# KiCad board HPM6E00FULLPORTRevB.kicad_pcb (continued)
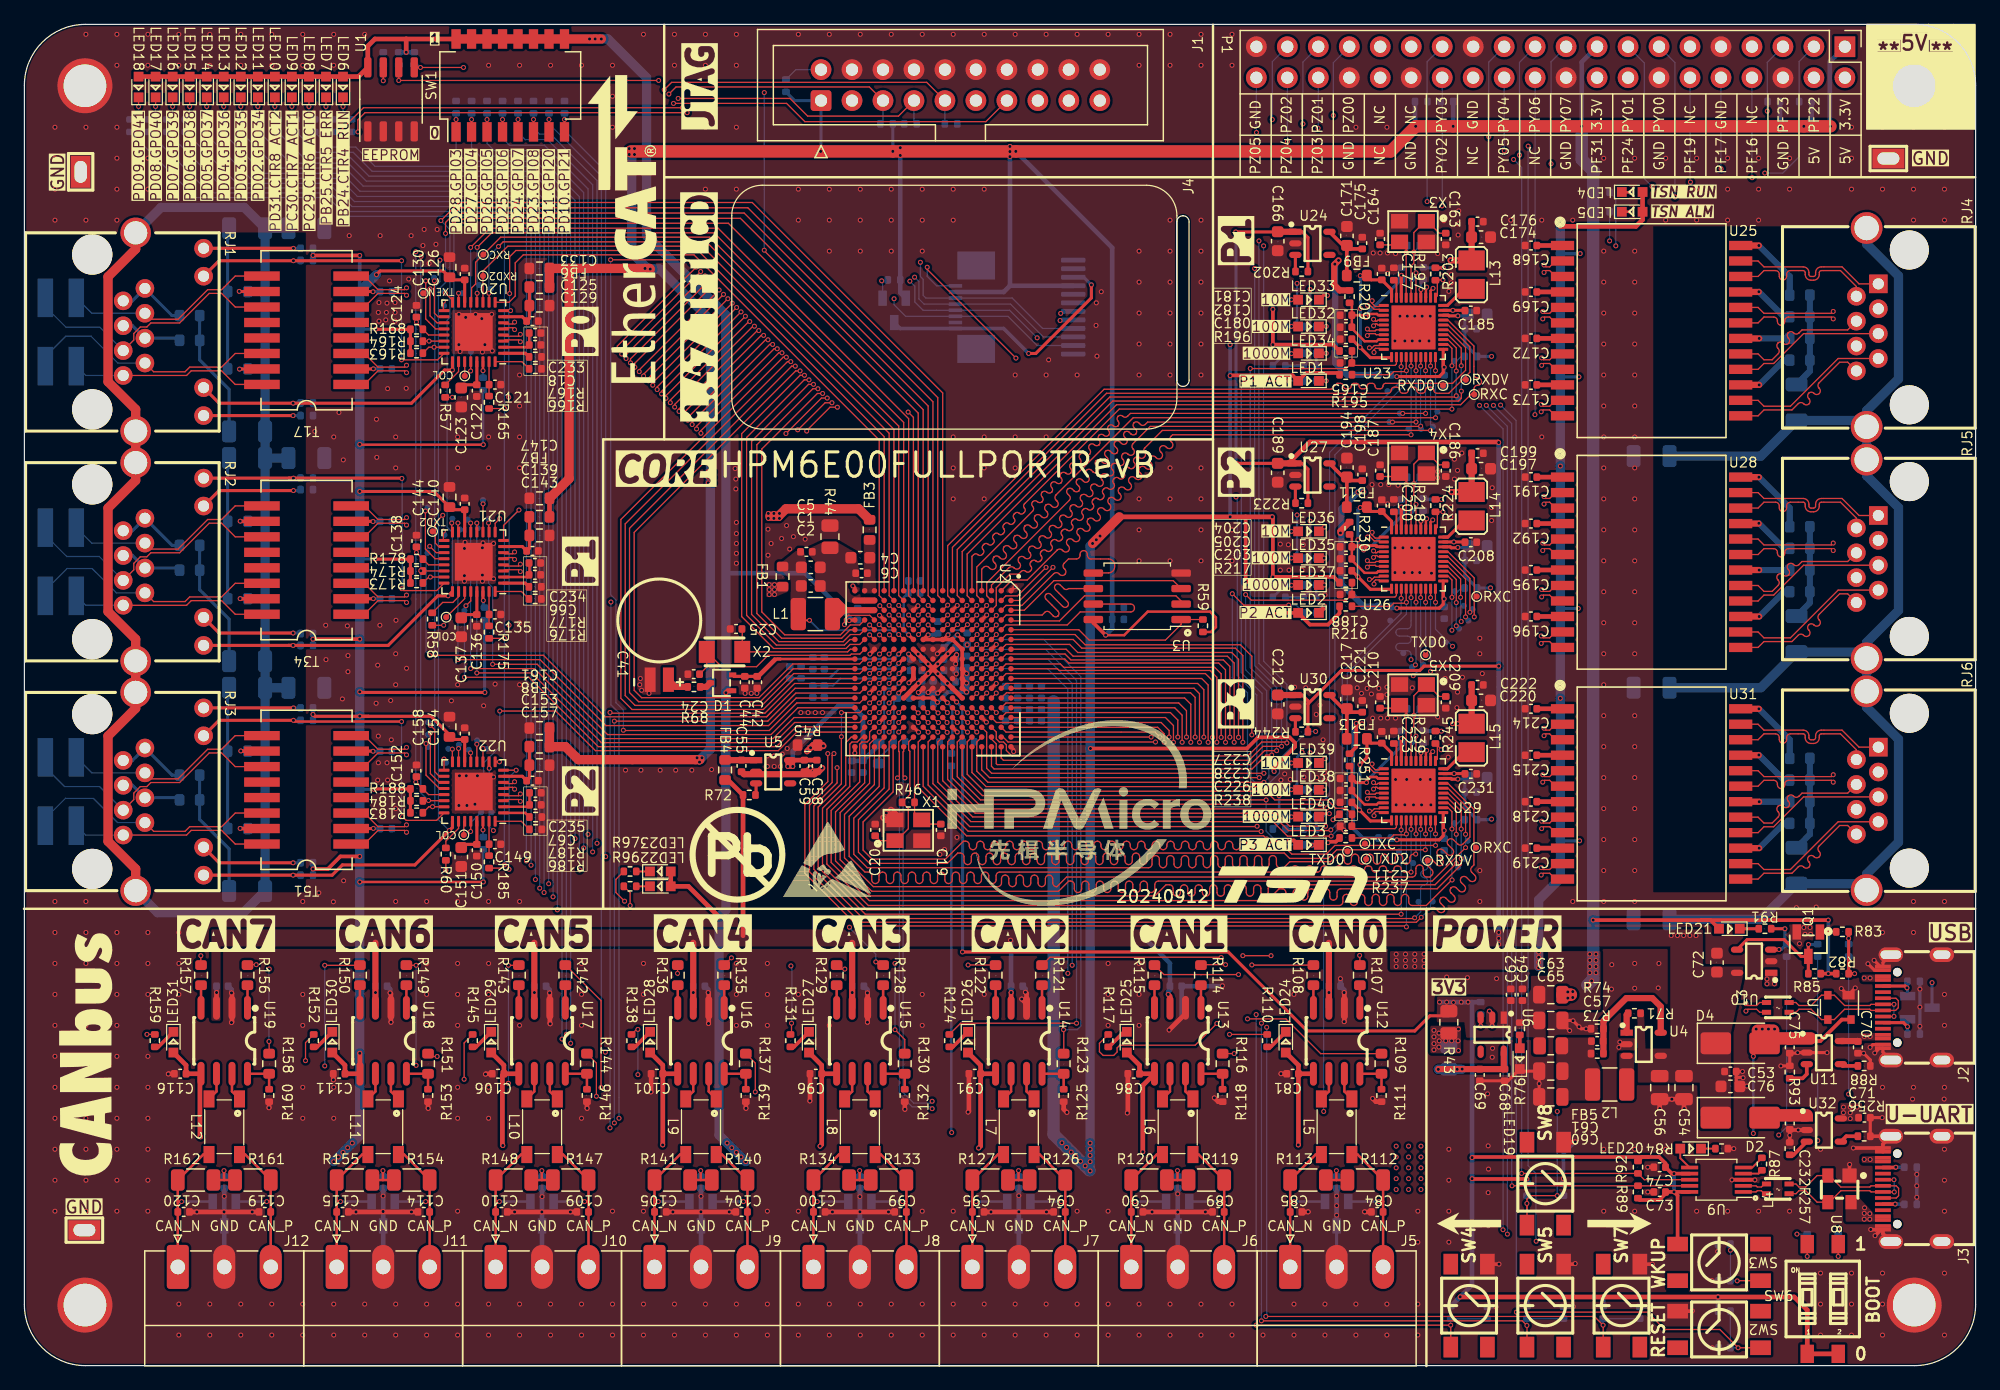
[diagram p0: board, top side]
## Footprints (pads in the part's own frame, mm; a bottom-side part is the same pattern mirrored in y, then rotated) (continued)
BGA-289_17x17_14.0x14.0mm
  round 0.45 smd: A1(-6.4,6.4) A2(-5.6,6.4) A3(-4.8,6.4) A4(-4,6.4) A5(-3.2,6.4) A6(-2.4,6.4) A7(-1.6,6.4) A8(-0.8,6.4) A9(0,6.4) A10(0.8,6.4) A11(1.6,6.4) A12(2.4,6.4) A13(3.2,6.4) A14(4,6.4) A15(4.8,6.4) A16(5.6,6.4) A17(6.4,6.4) B1(-6.4,5.6) B2(-5.6,5.6) B3(-4.8,5.6) B4(-4,5.6) B5(-3.2,5.6) B6(-2.4,5.6) B7(-1.6,5.6) B8(-0.8,5.6) B9(0,5.6) B10(0.8,5.6) B11(1.6,5.6) B12(2.4,5.6) B13(3.2,5.6) B14(4,5.6) B15(4.8,5.6) B16(5.6,5.6) B17(6.4,5.6) C1(-6.4,4.8) C2(-5.6,4.8) C3(-4.8,4.8) C4(-4,4.8) C5(-3.2,4.8) C6(-2.4,4.8) C7(-1.6,4.8) C8(-0.8,4.8) C9(0,4.8) C10(0.8,4.8) C11(1.6,4.8) C12(2.4,4.8) C13(3.2,4.8) C14(4,4.8) C15(4.8,4.8) C16(5.6,4.8) C17(6.4,4.8) D1(-6.4,4) D2(-5.6,4) D3(-4.8,4) D4(-4,4) D5(-3.2,4) D6(-2.4,4) D7(-1.6,4) D8(-0.8,4) D9(0,4) D10(0.8,4) D11(1.6,4) D12(2.4,4) D13(3.2,4) D14(4,4) D15(4.8,4) D16(5.6,4) D17(6.4,4) E1(-6.4,3.2) E2(-5.6,3.2) E3(-4.8,3.2) E4(-4,3.2) E5(-3.2,3.2) E6(-2.4,3.2) E7(-1.6,3.2) E8(-0.8,3.2) E9(0,3.2) E10(0.8,3.2) E11(1.6,3.2) E12(2.4,3.2) E13(3.2,3.2) E14(4,3.2) E15(4.8,3.2) E16(5.6,3.2) E17(6.4,3.2) F1(-6.4,2.4) F2(-5.6,2.4) F3(-4.8,2.4) F4(-4,2.4) F5(-3.2,2.4) F6(-2.4,2.4) F7(-1.6,2.4) F8(-0.8,2.4) F9(0,2.4) F10(0.8,2.4) F11(1.6,2.4) F12(2.4,2.4) F13(3.2,2.4) F14(4,2.4) F15(4.8,2.4) F16(5.6,2.4) F17(6.4,2.4) G1(-6.4,1.6) G2(-5.6,1.6) G3(-4.8,1.6) G4(-4,1.6) G5(-3.2,1.6) G6(-2.4,1.6) G7(-1.6,1.6) G8(-0.8,1.6) G9(0,1.6) G10(0.8,1.6) G11(1.6,1.6) G12(2.4,1.6) G13(3.2,1.6) G14(4,1.6) G15(4.8,1.6) G16(5.6,1.6) G17(6.4,1.6) H1(-6.4,0.8) H2(-5.6,0.8) H3(-4.8,0.8) H4(-4,0.8) H5(-3.2,0.8) H6(-2.4,0.8) H7(-1.6,0.8) H8(-0.8,0.8) H9(0,0.8) H10(0.8,0.8) H11(1.6,0.8) H12(2.4,0.8) H13(3.2,0.8) H14(4,0.8) H15(4.8,0.8) H16(5.6,0.8) H17(6.4,0.8) J1(-6.4,0) J2(-5.6,0) J3(-4.8,0) J4(-4,0) J5(-3.2,0) J6(-2.4,0) J7(-1.6,0) J8(-0.8,0) J9(0,0) J10(0.8,0) J11(1.6,0) J12(2.4,0) J13(3.2,0) J14(4,0) J15(4.8,0) J16(5.6,0) J17(6.4,0) K1(-6.4,-0.8) K2(-5.6,-0.8) K3(-4.8,-0.8) K4(-4,-0.8) K5(-3.2,-0.8) K6(-2.4,-0.8) K7(-1.6,-0.8) K8(-0.8,-0.8) K9(0,-0.8) K10(0.8,-0.8) K11(1.6,-0.8) K12(2.4,-0.8) K13(3.2,-0.8) K14(4,-0.8) K15(4.8,-0.8) K16(5.6,-0.8) K17(6.4,-0.8) L1(-6.4,-1.6) L2(-5.6,-1.6) L3(-4.8,-1.6) L4(-4,-1.6) L5(-3.2,-1.6) L6(-2.4,-1.6) L7(-1.6,-1.6) L8(-0.8,-1.6) L9(0,-1.6) L10(0.8,-1.6) L11(1.6,-1.6) L12(2.4,-1.6) L13(3.2,-1.6) L14(4,-1.6) L15(4.8,-1.6) L16(5.6,-1.6) L17(6.4,-1.6) M1(-6.4,-2.4) M2(-5.6,-2.4) M3(-4.8,-2.4) M4(-4,-2.4) M5(-3.2,-2.4) M6(-2.4,-2.4) M7(-1.6,-2.4) M8(-0.8,-2.4) M9(0,-2.4) M10(0.8,-2.4) M11(1.6,-2.4) M12(2.4,-2.4) M13(3.2,-2.4) M14(4,-2.4) M15(4.8,-2.4) M16(5.6,-2.4) M17(6.4,-2.4) N1(-6.4,-3.2) N2(-5.6,-3.2) N3(-4.8,-3.2) N4(-4,-3.2) N5(-3.2,-3.2) N6(-2.4,-3.2) N7(-1.6,-3.2) N8(-0.8,-3.2) N9(0,-3.2) N10(0.8,-3.2) N11(1.6,-3.2) N12(2.4,-3.2) N13(3.2,-3.2) N14(4,-3.2) N15(4.8,-3.2) N16(5.6,-3.2) N17(6.4,-3.2) P1(-6.4,-4) P2(-5.6,-4) P3(-4.8,-4) P4(-4,-4) P5(-3.2,-4) P6(-2.4,-4) P7(-1.6,-4) P8(-0.8,-4) P9(0,-4) P10(0.8,-4) P11(1.6,-4) P12(2.4,-4) P13(3.2,-4) P14(4,-4) P15(4.8,-4) P16(5.6,-4) P17(6.4,-4) R1(-6.4,-4.8) R2(-5.6,-4.8) R3(-4.8,-4.8) R4(-4,-4.8) R5(-3.2,-4.8) R6(-2.4,-4.8) R7(-1.6,-4.8) R8(-0.8,-4.8) R9(0,-4.8) R10(0.8,-4.8) R11(1.6,-4.8) R12(2.4,-4.8) R13(3.2,-4.8) R14(4,-4.8) R15(4.8,-4.8) R16(5.6,-4.8) R17(6.4,-4.8) T1(-6.4,-5.6) T2(-5.6,-5.6) T3(-4.8,-5.6) T4(-4,-5.6) T5(-3.2,-5.6) T6(-2.4,-5.6) T7(-1.6,-5.6) T8(-0.8,-5.6) T9(0,-5.6) T10(0.8,-5.6) T11(1.6,-5.6) T12(2.4,-5.6) T13(3.2,-5.6) T14(4,-5.6) T15(4.8,-5.6) T16(5.6,-5.6) T17(6.4,-5.6) U1(-6.4,-6.4) U2(-5.6,-6.4) U3(-4.8,-6.4) U4(-4,-6.4) U5(-3.2,-6.4) U6(-2.4,-6.4) U7(-1.6,-6.4) U8(-0.8,-6.4) U9(0,-6.4) U10(0.8,-6.4) U11(1.6,-6.4) U12(2.4,-6.4) U13(3.2,-6.4) U14(4,-6.4) U15(4.8,-6.4) U16(5.6,-6.4) U17(6.4,-6.4)
C_0402_1005Metric
  rrect 0.56x0.62 smd: 1(-0.48,0) 2(0.48,0)
C_0603_1608Metric
  rrect 0.9x0.95 smd: 1(-0.775,0) 2(0.775,0)
C_0805_2012Metric
  rrect 1x1.45 smd: 1(-0.95,0) 2(0.95,0)
C_1206_3216Metric
  rrect 1.15x1.8 smd: 1(-1.475,0) 2(1.475,0)
D_SMA
  rrect 2.5x1.8 smd: 1(-2,0) 2(2,0)
DMS3R3224
  rect 2x0.9 smd: 1(-0.001,0.749) 2(0.001,-0.749)
H1102_XFMR16_SM
  rect 2.921x0.762 smd: 1(-3.658,4.445) 2(-3.658,3.175) 3(-3.658,1.905) 4(-3.658,0.635) 5(-3.658,-0.635) 6(-3.658,-1.905) 7(-3.658,-3.175) 8(-3.658,-4.445) 9(3.658,-4.445) 10(3.658,-3.175) 11(3.658,-1.905) 12(3.658,-0.635) 13(3.658,0.635) 14(3.658,1.905) 15(3.658,3.175) 16(3.658,4.445)
HDR-SMD_4P-P2.54-V-M-R2-C2-LS7.5
  rect 1.27x3.17 smd: 1(-1.27,-2.8) 2(-1.27,2.8) 3(1.27,-2.8) 4(1.27,2.8)
IDC-Header_2x10_P2.54mm
  rrect 1.7x1.7 hole 1: 1(0,0)
  round 1.7 hole 1: 2(2.54,0) 3(0,-2.54) 4(2.54,-2.54) 5(0,-5.08) 6(2.54,-5.08) 7(0,-7.62) 8(2.54,-7.62) 9(0,-10.16) 10(2.54,-10.16) 11(0,-12.7) 12(2.54,-12.7) 13(0,-15.24) 14(2.54,-15.24) 15(0,-17.78) 16(2.54,-17.78) 17(0,-20.32) 18(2.54,-20.32) 19(0,-22.86) 20(2.54,-22.86)
L1008
  rect 1.635x2.16 smd: 1(-1.168,0) 2(1.168,0)
L2012
  rect 0.4x0.75 smd: 1(-0.4,-0.925) 2(-0.4,0.925) 3(0.4,0.925) 4(0.4,-0.925)
L4532
  rect 1.4x0.9 smd: 1(-2.28,1.25) 2(-2.28,-1.25) 3(2.28,-1.25) 4(2.28,1.25)
L_1210_3225Metric
  rrect 1.25x2.65 smd: 1(-1.4,0) 2(1.4,0)
LED_0603
  rect 0.8x0.8 smd: 1(0.851,0) 2(-0.851,0)
MSOP-10
  rect 1.4x0.3 smd: 1(-2.2,1) 2(-2.2,0.5) 3(-2.2,0) 4(-2.2,-0.5) 5(-2.2,-1) 6(2.2,-1) 7(2.2,-0.5) 8(2.2,0) 9(2.2,0.5) 10(2.2,1)
PhoenixContact_MC_1,5_3-G-3.81_1x03_P3.81mm_Horizontal
  rrect 1.8x3.6 hole 1.2: 1(0,0)
  oval 1.8x3.6 hole 1.2: 2(3.81,0) 3(7.62,0)
PinHeader_2x20_P2.54mm_Vertical
  rect 1.7x1.7 hole 1: 1(0,0)
  oval 1.7x1.7 hole 1: 2(2.54,0) 3(0,-2.54) 4(2.54,-2.54) 5(0,-5.08) 6(2.54,-5.08) 7(0,-7.62) 8(2.54,-7.62) 9(0,-10.16) 10(2.54,-10.16) 11(0,-12.7) 12(2.54,-12.7) 13(0,-15.24) 14(2.54,-15.24) 15(0,-17.78) 16(2.54,-17.78) 17(0,-20.32) 18(2.54,-20.32) 19(0,-22.86) 20(2.54,-22.86) 21(0,-25.4) 22(2.54,-25.4) 23(0,-27.94) 24(2.54,-27.94) 25(0,-30.48) 26(2.54,-30.48) 27(0,-33.02) 28(2.54,-33.02) 29(0,-35.56) 30(2.54,-35.56) 31(0,-38.1) 32(2.54,-38.1) 33(0,-40.64) 34(2.54,-40.64) 35(0,-43.18) 36(2.54,-43.18) 37(0,-45.72) 38(2.54,-45.72) 39(0,-48.26) 40(2.54,-48.26)
PRTR5V0U2X
  rect 1.168x1.168 smd: 1(-1.092,0.826)
  rect 1.168x0.914 smd: 2(-1.092,-0.953) 3(1.092,-0.953) 4(1.092,0.953)
PULSE_H5007NL
  rect 1.905x0.76 smd: 1(-7.303,6.985) 2(-7.303,5.715) 3(-7.303,4.445) 4(-7.303,3.175) 5(-7.303,1.905) 6(-7.303,0.635) 7(-7.303,-0.635) 8(-7.303,-1.905) 9(-7.303,-3.175) 10(-7.303,-4.445) 11(-7.303,-5.715) 12(-7.303,-6.985) 13(7.303,-6.985) 14(7.303,-5.715) 15(7.303,-4.445) 16(7.303,-3.175) 17(7.303,-1.905) 18(7.303,-0.635) 19(7.303,0.635) 20(7.303,1.905) 21(7.303,3.175) 22(7.303,4.445) 23(7.303,5.715) 24(7.303,6.985)
QFN-32-1EP_5x5mm_P0.5mm_EP3.1x3.1mm
  rrect 0.83x0.83 smd: (-1.03,1.03) (-1.03,0) (-1.03,-1.03) (0,1.03) (0,0) (0,-1.03) (1.03,1.03) (1.03,0) (1.03,-1.03)
  rrect 0.875x0.25 smd: 1(-2.438,1.75) 2(-2.438,1.25) 3(-2.438,0.75) 4(-2.438,0.25) 5(-2.438,-0.25) 6(-2.438,-0.75) 7(-2.438,-1.25) 8(-2.438,-1.75) 17(2.438,-1.75) 18(2.438,-1.25) 19(2.438,-0.75) 20(2.438,-0.25) 21(2.438,0.25) 22(2.438,0.75) 23(2.438,1.25) 24(2.438,1.75)
  rrect 0.25x0.875 smd: 9(-1.75,-2.438) 10(-1.25,-2.438) 11(-0.75,-2.438) 12(-0.25,-2.438) 13(0.25,-2.438) 14(0.75,-2.438) 15(1.25,-2.438) 16(1.75,-2.438) 25(1.75,2.438) 26(1.25,2.438) 27(0.75,2.438) 28(0.25,2.438) 29(-0.25,2.438) 30(-0.75,2.438) 31(-1.25,2.438) 32(-1.75,2.438)
  rect 3.1x3.1 smd: 33(0,0)
QFN-40-1EP_5x5mm_P0.4mm_EP3.6x3.6mm
  rrect 0.97x0.97 smd: (-1.2,1.2) (-1.2,0) (-1.2,-1.2) (0,1.2) (0,0) (0,-1.2) (1.2,1.2) (1.2,0) (1.2,-1.2)
  rrect 0.825x0.25 smd: 1(-2.438,1.8) 2(-2.438,1.4) 3(-2.438,1) 4(-2.438,0.6) 5(-2.438,0.2) 6(-2.438,-0.2) 7(-2.438,-0.6) 8(-2.438,-1) 9(-2.438,-1.4) 10(-2.438,-1.8) 21(2.438,-1.8) 22(2.438,-1.4) 23(2.438,-1) 24(2.438,-0.6) 25(2.438,-0.2) 26(2.438,0.2) 27(2.438,0.6) 28(2.438,1) 29(2.438,1.4) 30(2.438,1.8)
  rrect 0.25x0.825 smd: 11(-1.8,-2.438) 12(-1.4,-2.438) 13(-1,-2.438) 14(-0.6,-2.438) 15(-0.2,-2.438) 16(0.2,-2.438) 17(0.6,-2.438) 18(1,-2.438) 19(1.4,-2.438) 20(1.8,-2.438) 31(1.8,2.438) 32(1.4,2.438) 33(1,2.438) 34(0.6,2.438) 35(0.2,2.438) 36(-0.2,2.438) 37(-0.6,2.438) 38(-1,2.438) 39(-1.4,2.438) 40(-1.8,2.438)
  rect 3.6x3.6 smd: 41(0,0)
R_0402_1005Metric
  rrect 0.54x0.64 smd: 1(-0.51,0) 2(0.51,0)
R_0603_1608Metric
  rrect 0.8x0.95 smd: 1(-0.825,0) 2(0.825,0)
R_0805_2012Metric
  rrect 1.025x1.4 smd: 1(-0.912,0) 2(0.912,0)
R_1206_3216Metric
  rrect 1.125x1.75 smd: 1(-1.462,0) 2(1.462,0)
RJ45-TH_HC-RJ45-5JA-1-4
  round 3.2 hole 3.2 unplated: (-6.35,-3.44) (6.35,-3.44)
  rect 1.524x1.524 hole 0.914: 1(3.57,-0.9)
  round 1.524 hole 0.914: 2(2.55,0.9) 3(1.53,-0.9) 4(0.51,0.9) 5(-0.51,-0.9) 6(-1.53,0.9) 7(-2.55,-0.9) 8(-3.57,0.9)
  round 2.6 hole 2: 9(-8.15,0.06) 10(8.15,0.06)
RJ45-TH_R-RJ45R08P-C000
  round 3.3 hole 3.3 unplated: (-6.35,-5.835) (6.35,-5.835)
  round 1.524 hole 0.914: 1(3.57,-3.295) 2(2.55,-1.515) 3(1.53,-3.295) 4(0.51,-1.515) 5(-0.51,-3.295) 6(-1.53,-1.515) 7(-2.55,-3.295) 8(-3.57,-1.515) 9(-6.86,3.295) 10(-4.57,3.295) 11(4.57,3.295) 12(6.86,3.295)
  round 2.5 hole 1.9: 13(8.13,-2.275) 14(-8.13,-2.275)
SC-70
  rect 0.599x0.399 smd: 1(0.909,-0.65) 2(0.909,0.65) 3(-0.909,0)
SOIC8_208mil
  rrect 1.6x0.6 smd: 1(-3.6,1.905) 2(-3.6,0.635) 3(-3.6,-0.635) 4(-3.6,-1.905) 5(3.6,-1.905) 6(3.6,-0.635) 7(3.6,0.635) 8(3.6,1.905)
SOIC-8
  oval 1.95x0.568 smd: 1(-0.705,0.905) 2(-0.705,-0.365) 3(-0.705,-1.635) 4(-0.705,-2.905) 5(4.705,-2.905) 6(4.705,-1.635) 7(4.705,-0.365) 8(4.705,0.905)
SOP-8_3.9x4.9mm_P1.27mm
  rrect 1.65x0.6 smd: 1(-2.625,1.905) 2(-2.625,0.635) 3(-2.625,-0.635) 4(-2.625,-1.905) 5(2.625,-1.905) 6(2.625,-0.635) 7(2.625,0.635) 8(2.625,1.905)
SOT-23
  rect 1.25x0.7 smd: 1(1,-0.95) 2(1,0.95) 3(-1,0)
SOT-23-5
  rect 1.016x0.508 smd: 1(-1.397,0.95)
  oval 1.016x0.508 smd: 2(-1.397,0) 3(-1.397,-0.95) 4(1.397,-0.95) 5(1.397,0.95)
SOT-143
  rect 0.7x1 smd: 1(-1,0.75)
  rect 0.7x0.6 smd: 2(-1,-0.95) 3(1,-0.95) 4(1,0.95)
SW-SMD_DM-02-V
  rect 1.1x1.501 smd: 1(-1.27,-4.501) 2(1.27,-4.501) 3(1.27,4.501) 4(-1.27,4.501)
SW_DIP_SPSTx08_Slide_Copal_CHS-08B_W7.62mm_P1.27mm
  rect 1.6x0.76 smd: 1(-3.81,4.445) 2(-3.81,3.175) 3(-3.81,1.905) 4(-3.81,0.635) 5(-3.81,-0.635) 6(-3.81,-1.905) 7(-3.81,-3.175) 8(-3.81,-4.445) 9(3.81,-4.445) 10(3.81,-3.175) 11(3.81,-1.905) 12(3.81,-0.635) 13(3.81,0.635) 14(3.81,1.905) 15(3.81,3.175) 16(3.81,4.445)
TestPoint_Pad_D0.5mm
  round 0.5 smd: 1(0,0)
TFT1.47
  rect 0.3x1.1 smd far side: A1(-1.75,-8.341) A2(-1.25,-8.341) A3(-0.75,-8.341) A4(-0.25,-8.341) A5(0.25,-8.341) A6(0.75,-8.341) A7(1.25,-8.341) A8(1.75,-8.341)
  rrect 0.4x2 smd far side: B1(3.856,-18) B2(3.156,-18) B3(2.456,-18) B4(1.756,-18) B5(1.056,-18) B6(0.356,-18) B7(-0.344,-18) B8(-1.044,-18) B9(-1.744,-18) B10(-2.444,-18) B11(-3.144,-18) B12(-3.844,-18)
  rect 2.3x3.1 smd far side: MP(-3.42,-10.041) MP(3.42,-10.041)
TYPE-C-16P
  round 0.7 hole 0.7 unplated: (-2.89,1.235) (2.89,1.235)
  oval 1.2x2 hole 0.7x1.7: 1(-4.32,1.765) 2(4.32,1.765)
  oval 1.2x2 hole 0.7x1.4: 3(-4.32,-2.415) 4(4.32,-2.415)
  rect 0.3x1.3 smd: A1(-3.35,2.415) A4(-2.55,2.415) A5(-1.25,2.415) A6(-0.25,2.415) A7(0.25,2.415) A8(1.25,2.415) A9(2.55,2.415) A12(3.35,2.415) B1(3.05,2.415) B4(2.25,2.415) B5(1.75,2.415) B6(0.75,2.415) B7(-0.75,2.415) B8(-1.75,2.415) B9(-2.25,2.415) B12(-3.05,2.415)
unnamed
  round 4.5 hole 3.5: 1(0,0)
探针
  rect 2.601x1.6 hole 1.801x1.001: 1(0,0)
轻触开关SMD-4P,4.5x4.5mm
  rect 1.699x1.199 smd: 1(-3.401,-1.501) 2(3.401,-1.501) 3(3.401,1.501) 4(-3.401,1.501)

## Nets
+1V8: C68.1 C69.1 R42.1 U6.5
+3.3V: C21.1 C31.1 C32.1 C62.1 C63.1 C64.1 C65.1 C73.2 C74.1 C133.1 C147.1 C161.1 FB3.2 FB5.1 FB6.1 FB7.1 FB8.1 J1.1 J4.A7 J4.B4 LED21.2 P1.1 P1.17 Q2.2 R43.1 R48.1 R51.2 R54.1 R55.1 R59.2 R75.1 R76.2 R82.2 R85.2 R89.2 R92.2 R94.1 R95.1 R100.1 R101.1 R102.2 R103.2 R104.2 R105.2 R106.2 SW3.2 SW6.1 SW6.2 U2.G12 U3.8 U6.1 U9.7 U9.10
+3.3VA: C8.1 C11.1 C58.1 C59.1 FB2.2 U2.M10 U5.5
+5V: C53.1 C54.1 C56.1 C72.1 C76.1 C82.2 C87.2 C92.2 C97.2 C102.2 C107.2 C112.2 C117.2 C166.1 C189.1 C212.1 D2.1 D4.1 FB4.2 NOREF#3.1 P1.2 P1.4 R71.1 R72.1 R202.1 R223.1 R244.1 U4.4 U10.5 U12.3 U13.3 U14.3 U15.3 U16.3 U17.3 U18.3 U19.3 U24.1 U27.1 U30.1
/HPM6E00 FULL PORT MAINENTRY/10-USB-BOOT-KEY-LED/VBUS_DEBUG: C71.1 J3.A4 J3.A9 J3.B4 J3.B9 U8.4 U32.5
/HPM6E00 FULL PORT MAINENTRY/24-TSN-P1/AVDD: C177.2 C180.2 C185.1 FB9.1 U23.11 U23.29 U23.40
/HPM6E00 FULL PORT MAINENTRY/24-TSN-P1/AVDDL: C179.1 C181.1 C182.1 R209.2 U23.3 U23.8 U23.38
/HPM6E00 FULL PORT MAINENTRY/24-TSN-P1/DVDDL: C178.2 R208.2 U23.21
/HPM6E00 FULL PORT MAINENTRY/24-TSN-P1/VDDL: C174.1 C176.1 L13.2 R208.1 R209.1
/HPM6E00 FULL PORT MAINENTRY/25-TSN-P2/AVDD: C200.2 C203.2 C208.1 FB11.1 U26.11 U26.29 U26.40
/HPM6E00 FULL PORT MAINENTRY/25-TSN-P2/AVDDL: C202.1 C204.1 C205.1 R230.2 U26.3 U26.8 U26.38
/HPM6E00 FULL PORT MAINENTRY/25-TSN-P2/DVDDL: C201.2 R229.2 U26.21
/HPM6E00 FULL PORT MAINENTRY/25-TSN-P2/VDDL: C197.1 C199.1 L14.2 R229.1 R230.1
/HPM6E00 FULL PORT MAINENTRY/26-TSN-P3/AVDD: C223.2 C226.2 C231.1 FB13.1 U29.11 U29.29 U29.40
/HPM6E00 FULL PORT MAINENTRY/26-TSN-P3/AVDDL: C225.1 C227.1 C228.1 R251.2 U29.3 U29.8 U29.38
/HPM6E00 FULL PORT MAINENTRY/26-TSN-P3/DVDDL: C224.2 R250.2 U29.21
/HPM6E00 FULL PORT MAINENTRY/26-TSN-P3/VDDL: C220.1 C222.1 L15.2 R250.1 R251.1
GND: C9.2 C10.2 C12.2 C13.2 C14.2 C15.2 C16.2 C17.2 C18.1 C19.2 C20.2 C21.2 C22.2 C23.2 C24.2 C25.2 C26.2 C27.1 C28.1 C29.2 C30.2 C31.2 C32.2 C33.2 C34.2 C35.2 C36.2 C37.2 C38.2 C39.2 C40.2 C41.2 C42.2 C43.1 C44.2 C45.2 C46.2 C47.2 C48.2 C49.2 C50.2 C51.2 C52.2 C53.2 C54.2 C56.2 C60.2 C61.2 C62.2 C63.2 C64.2 C65.2 C66.1 C67.1 C68.2 C69.2 C70.2 C71.2 C72.2 C73.1 C74.2 C75.2 C76.2 C77.2 C78.2 C79.2 C80.2 C81.2 C82.1 C83.2 C84.2 C85.1 C86.2 C87.1 C88.2 C89.2 C90.1 C91.2 C92.1 C93.2 C94.2 C95.1 C96.2 C97.1 C98.2 C99.2 C100.1 C101.2 C102.1 C103.2 C104.2 C105.1 C106.2 C107.1 C108.2 C109.2 C110.1 C111.2 C112.1 C113.2 C114.2 C115.1 C116.2 C117.1 C118.2 C119.2 C120.1 C121.2 C122.1 C123.1 C124.2 C125.2 C126.2 C127.1 C128.2 C129.2 C130.2 C133.2 C134.1 C135.2 C136.1 C137.1 C138.2 C139.2 C140.2 C141.1 C142.2 C143.2 C144.2 C147.2 C148.1 C149.2 C150.1 C151.1 C152.2 C153.2 C154.2 C155.1 C156.2 C157.2 C158.2 C161.2 C162.1 C163.2 C164.2 C165.2 C166.2 C167.2 C168.2 C169.2 C170.2 C171.2 C172.2 C173.2 C174.2 C175.2 C176.2 C177.1 C178.1 C179.2 C180.1 C181.2 C182.2 C184.1 C185.2 C186.2 C187.2 C188.2 C189.2 C190.2 C191.2 C192.2 C193.2 C194.2 C195.2 C196.2 C197.2 C198.2 C199.2 C200.1 C201.1 C202.2 C203.1 C204.2 C205.2 C207.1 C208.2 C209.2 C210.2 C211.2 C212.2 C213.2 C214.2 C215.2 C216.2 C217.2 C218.2 C219.2 C220.2 C221.2 C222.2 C223.1 C224.1 C225.2 C226.1 C227.2 C228.2 C230.1 C231.2 C232.2 C233.2 C234.2 C235.2 D5.3 D6.3 D7.3 D8.3 D9.3 D10.3 D11.3 D12.3 J1.4 J1.6 J1.8 J1.10 J1.12 J1.14 J1.16 J1.18 J1.20 J2.1 J2.2 J2.3 J2.4 J2.A1 J2.A12 J2.B1 J2.B12 J3.1 J3.2 J3.3 J3.4 J3.A1 J3.A12 J3.B1 J3.B12 J4.A2 J4.B1 J4.B2 J4.B5 J4.B6 J4.B12 J4.MP J5.2 J6.2 J7.2 J8.2 J9.2 J10.2 J11.2 J12.2 LED19.1 NOREF.1 NOREF#2.1 NOREF#4.1 P1.6 P1.9 P1.14 P1.20 P1.25 P1.30 P1.34 P1.39 Q1.2 R1.2 R4.2 R6.2 R7.2 R18.1 R19.1 R20.1 R21.1 R22.1 R23.1 R24.1 R25.1 R40.2 R44.1 R45.2 R50.1 R53.1 R74.1 R77.1 R78.1 R79.1 R80.1 R84.1 R88.1 R93.1 R111.1 R118.1 R125.1 R132.1 R139.1 R146.1 R153.1 R160.1 R166.1 R167.1 R176.1 R177.1 R186.1 R187.1 R197.1 R200.2 R205.2 R206.2 R218.1 R221.2 R226.2 R227.2 R239.1 R242.2 R247.2 R248.2 R256.1 R257.1 REF**.1 REF**#2.1 REF**#4.1 SW2.2 SW4.2 SW5.2 SW7.2 SW8.2 U1.1 U1.2 U1.3 U1.4 U2.A1 U2.A17 U2.C7 U2.C11 U2.D4 U2.D14 U2.G3 U2.G8 U2.G9 U2.G10 U2.G15 U2.H7 U2.H9 U2.H11 U2.J7 U2.J8 U2.J10 U2.J11 U2.K7 U2.K9 U2.K11 U2.L3 U2.L8 U2.L15 U2.P4 U2.P14 U2.R7 U2.R11 U2.U1 U2.U17 U3.4 U4.2 U6.2 U7.1 U8.1 U9.3 U10.2 U11.2 U12.2 U13.2 U14.2 U15.2 U16.2 U17.2 U18.2 U19.2 U20.33 U21.33 U22.33 U23.41 U24.2 U26.41 U27.2 U29.41 U30.2 U32.2 X1.2 X1.4 X3.2 X3.4 X4.2 X4.4 X5.2 X5.4
GND2: C183.2 C184.2 C206.2 C207.2 C229.2 C230.2 RJ4.9 RJ4.10 RJ5.9 RJ5.10 RJ6.9 RJ6.10
GND3: C131.2 C132.2 C134.2 C145.2 C146.2 C148.2 C159.2 C160.2 C162.2 RJ1.13 RJ1.14 RJ2.13 RJ2.14 RJ3.13 RJ3.14
GNDA: C3.2 C7.2 C8.2 C11.2 C55.2 C58.2 C59.2 R45.1 U2.L9 U2.L10 U5.2
VBAT: C42.1 C44.1 D1.2 U2.U8
VBUS: C75.1 D4.2 R49.1 U7.4 U10.1 U11.1
VCC: C27.2 C28.2 C29.1 C30.1 C33.1 C34.1 C35.1 C36.1 C37.1 C38.1 C39.1 C40.1 C43.2 C81.1 C86.1 C91.1 C96.1 C101.1 C106.1 C111.1 C116.1 C126.1 C130.1 C140.1 C144.1 C154.1 C158.1 C167.1 C170.1 C190.1 C193.1 C213.1 C216.1 D1.1 LED1.2 LED2.2 LED3.2 LED4.2 LED5.2 LED6.2 LED7.2 LED8.2 LED9.2 LED10.2 LED11.2 LED12.2 LED13.2 LED14.2 LED15.2 LED16.2 LED17.2 LED18.2 LED22.2 LED23.2 LED24.2 LED25.2 LED26.2 LED27.2 LED28.2 LED29.2 LED30.2 LED31.2 R2.2 R3.2 R5.2 R8.2 R9.2 R10.2 R11.2 R12.2 R39.1 R41.1 R42.2 R43.2 R47.1 R52.1 R56.1 R163.2 R164.2 R168.1 R173.2 R174.2 R178.1 R183.2 R184.2 R188.1 R194.1 R195.1 R196.1 R199.1 R201.2 R203.2 R204.2 R215.1 R216.1 R217.1 R220.1 R222.2 R224.2 R225.2 R236.1 R237.1 R238.1 R241.1 R243.2 R245.2 R246.2 SW1.9 SW1.10 SW1.11 SW1.12 SW1.13 SW1.14 SW1.15 SW1.16 U1.8 U2.F7 U2.F8 U2.F9 U2.F10 U2.F11 U2.G6 U2.H6 U2.J6 U2.J12 U2.K6 U2.K12 U2.L12 U2.U4 U12.5 U13.5 U14.5 U15.5 U16.5 U17.5 U18.5 U19.5 U20.14 U21.14 U22.14 U23.28 U26.28 U29.28
VDD_SOC: C9.1 C10.1 C12.1 C13.1 C14.1 C15.1 C16.1 C17.1 FB1.2 U2.F6 U2.F12 U2.G7 U2.G11 U2.H8 U2.H10 U2.J9 U2.K8 U2.K10 U2.L7 U2.L11 U2.M12
/HPM6E00 FULL PORT MAINENTRY/02-USB-OSC/RESETN: C22.1 R48.2 SW2.4 U2.T4
/HPM6E00 FULL PORT MAINENTRY/02-USB-OSC/RTC_XI: C25.1 U2.U7 X2.2
/HPM6E00 FULL PORT MAINENTRY/02-USB-OSC/RTC_XO: C24.1 U2.T7 X2.1
/HPM6E00 FULL PORT MAINENTRY/02-USB-OSC/WAKEUP: C26.1 R50.2 SW3.4 U2.R4
/HPM6E00 FULL PORT MAINENTRY/04-FlASH-PB/CS0: R59.1 U2.A5 U3.1
/HPM6E00 FULL PORT MAINENTRY/04-FlASH-PB/D0: U2.B3 U3.5
/HPM6E00 FULL PORT MAINENTRY/04-FlASH-PB/D1: U2.A4 U3.2
/HPM6E00 FULL PORT MAINENTRY/04-FlASH-PB/D2: U2.A3 U3.3
/HPM6E00 FULL PORT MAINENTRY/04-FlASH-PB/D3: U2.B5 U3.7
/HPM6E00 FULL PORT MAINENTRY/04-FlASH-PB/SCLK: U2.B4 U3.6
/HPM6E00 FULL PORT MAINENTRY/10-USB-BOOT-KEY-LED/_+: J3.A6 J3.B6 L4.1 U8.3
/HPM6E00 FULL PORT MAINENTRY/10-USB-BOOT-KEY-LED/_-: J3.A7 J3.B7 L4.4 U8.2
/HPM6E00 FULL PORT MAINENTRY/10-USB-BOOT-KEY-LED/UD+: L4.2 U9.1
/HPM6E00 FULL PORT MAINENTRY/10-USB-BOOT-KEY-LED/UD-: L4.3 U9.2
/HPM6E00 FULL PORT MAINENTRY/10-USB-BOOT-KEY-LED/USB0+: J2.A6 J2.B6 L3.1 U7.3
/HPM6E00 FULL PORT MAINENTRY/10-USB-BOOT-KEY-LED/USB0-: J2.A7 J2.B7 L3.4 U7.2
/HPM6E00 FULL PORT MAINENTRY/12-RASPBERRY-PI/CE1: P1.26
/HPM6E00 FULL PORT MAINENTRY/12-RASPBERRY-PI/GPIO0: P1.11
/HPM6E00 FULL PORT MAINENTRY/12-RASPBERRY-PI/GPIO7: P1.7
/HPM6E00 FULL PORT MAINENTRY/12-RASPBERRY-PI/GPIO21: P1.29
/HPM6E00 FULL PORT MAINENTRY/12-RASPBERRY-PI/GPIO22: P1.31
/HPM6E00 FULL PORT MAINENTRY/12-RASPBERRY-PI/GPIO26: P1.32
/HPM6E00 FULL PORT MAINENTRY/13-CAN0/CANH_P: C84.1 D5.2 J5.3 L5.4 R112.2
/HPM6E00 FULL PORT MAINENTRY/13-CAN0/CANL_N: C85.2 D5.1 J5.1 L5.3 R113.1
/HPM6E00 FULL PORT MAINENTRY/14-CAN1/CANH_P: C89.1 D6.2 J6.3 L6.4 R119.2
/HPM6E00 FULL PORT MAINENTRY/14-CAN1/CANL_N: C90.2 D6.1 J6.1 L6.3 R120.1
/HPM6E00 FULL PORT MAINENTRY/15-CAN2/CANH_P: C94.1 D7.2 J7.3 L7.4 R126.2
/HPM6E00 FULL PORT MAINENTRY/15-CAN2/CANL_N: C95.2 D7.1 J7.1 L7.3 R127.1
/HPM6E00 FULL PORT MAINENTRY/16-CAN3/CANH_P: C99.1 D8.2 J8.3 L8.4 R133.2
/HPM6E00 FULL PORT MAINENTRY/16-CAN3/CANL_N: C100.2 D8.1 J8.1 L8.3 R134.1
/HPM6E00 FULL PORT MAINENTRY/17-CAN4/CANH_P: C104.1 D9.2 J9.3 L9.4 R140.2
/HPM6E00 FULL PORT MAINENTRY/17-CAN4/CANL_N: C105.2 D9.1 J9.1 L9.3 R141.1
/HPM6E00 FULL PORT MAINENTRY/18-CAN5/CANH_P: C109.1 D10.2 J10.3 L10.4 R147.2
/HPM6E00 FULL PORT MAINENTRY/18-CAN5/CANL_N: C110.2 D10.1 J10.1 L10.3 R148.1
/HPM6E00 FULL PORT MAINENTRY/19-CAN6/CANH_P: C114.1 D11.2 J11.3 L11.4 R154.2
/HPM6E00 FULL PORT MAINENTRY/19-CAN6/CANL_N: C115.2 D11.1 J11.1 L11.3 R155.1
/HPM6E00 FULL PORT MAINENTRY/20-CAN7/CANH_P: C119.1 D12.2 J12.3 L12.4 R161.2
/HPM6E00 FULL PORT MAINENTRY/20-CAN7/CANL_N: C120.2 D12.1 J12.1 L12.3 R162.1
/HPM6E00 FULL PORT MAINENTRY/21-ETHERCAT-P0/JL_3.3V: C125.1 C129.1 FB6.2 U20.7
/HPM6E00 FULL PORT MAINENTRY/21-ETHERCAT-P0/JL_LED0: R2.1 RJ1.10 U20.24
/HPM6E00 FULL PORT MAINENTRY/21-ETHERCAT-P0/JL_RJ45_9: R3.1 RJ1.9
/HPM6E00 FULL PORT MAINENTRY/21-ETHERCAT-P0/JL_RJ45_12: R4.1 RJ1.12
/HPM6E00 FULL PORT MAINENTRY/21-ETHERCAT-P0/RD_N: T17.8 U20.6
/HPM6E00 FULL PORT MAINENTRY/21-ETHERCAT-P0/RD_P: T17.6 U20.5
/HPM6E00 FULL PORT MAINENTRY/21-ETHERCAT-P0/RX+: J13.1 RJ1.3 T17.11
/HPM6E00 FULL PORT MAINENTRY/21-ETHERCAT-P0/RX-: J13.3 RJ1.6 T17.9
/HPM6E00 FULL PORT MAINENTRY/21-ETHERCAT-P0/TD_N: T17.3 U20.4
/HPM6E00 FULL PORT MAINENTRY/21-ETHERCAT-P0/TD_P: T17.1 U20.3
/HPM6E00 FULL PORT MAINENTRY/21-ETHERCAT-P0/TX+: J13.4 RJ1.1 T17.16
/HPM6E00 FULL PORT MAINENTRY/21-ETHERCAT-P0/TX-: J13.2 RJ1.2 T17.14
/HPM6E00 FULL PORT MAINENTRY/22-ETHERCAT-P1/JL_3.3V: C139.1 C143.1 FB7.2 U21.7
/HPM6E00 FULL PORT MAINENTRY/22-ETHERCAT-P1/JL_LED0: R6.1 RJ2.9 U21.24
/HPM6E00 FULL PORT MAINENTRY/22-ETHERCAT-P1/JL_RJ45_10: R7.1 RJ2.10
/HPM6E00 FULL PORT MAINENTRY/22-ETHERCAT-P1/JL_RJ45_11: R8.1 RJ2.11
/HPM6E00 FULL PORT MAINENTRY/22-ETHERCAT-P1/RD_N: T34.8 U21.6
/HPM6E00 FULL PORT MAINENTRY/22-ETHERCAT-P1/RD_P: T34.6 U21.5
/HPM6E00 FULL PORT MAINENTRY/22-ETHERCAT-P1/RX+: J14.1 RJ2.3 T34.11
/HPM6E00 FULL PORT MAINENTRY/22-ETHERCAT-P1/RX-: J14.3 RJ2.6 T34.9
/HPM6E00 FULL PORT MAINENTRY/22-ETHERCAT-P1/TD_N: T34.3 U21.4
/HPM6E00 FULL PORT MAINENTRY/22-ETHERCAT-P1/TD_P: T34.1 U21.3
/HPM6E00 FULL PORT MAINENTRY/22-ETHERCAT-P1/TX+: J14.4 RJ2.1 T34.16
/HPM6E00 FULL PORT MAINENTRY/22-ETHERCAT-P1/TX-: J14.2 RJ2.2 T34.14
/HPM6E00 FULL PORT MAINENTRY/23-ETHERCAT-P2/JL_3.3V: C153.1 C157.1 FB8.2 U22.7
/HPM6E00 FULL PORT MAINENTRY/23-ETHERCAT-P2/JL_LED0: R10.1 RJ3.10 U22.24
/HPM6E00 FULL PORT MAINENTRY/23-ETHERCAT-P2/JL_RJ45_9: R11.1 RJ3.9
/HPM6E00 FULL PORT MAINENTRY/23-ETHERCAT-P2/JL_RJ45_11: R12.1 RJ3.11
/HPM6E00 FULL PORT MAINENTRY/23-ETHERCAT-P2/RD_N: T51.8 U22.6
/HPM6E00 FULL PORT MAINENTRY/23-ETHERCAT-P2/RD_P: T51.6 U22.5
/HPM6E00 FULL PORT MAINENTRY/23-ETHERCAT-P2/RX+: J15.1 RJ3.3 T51.11
/HPM6E00 FULL PORT MAINENTRY/23-ETHERCAT-P2/RX-: J15.3 RJ3.6 T51.9
/HPM6E00 FULL PORT MAINENTRY/23-ETHERCAT-P2/TD_N: T51.3 U22.4
/HPM6E00 FULL PORT MAINENTRY/23-ETHERCAT-P2/TD_P: T51.1 U22.3
/HPM6E00 FULL PORT MAINENTRY/23-ETHERCAT-P2/TX+: J15.4 RJ3.1 T51.16
/HPM6E00 FULL PORT MAINENTRY/23-ETHERCAT-P2/TX-: J15.2 RJ3.2 T51.14
/HPM6E00 FULL PORT MAINENTRY/24-TSN-P1/G1_DA+: RJ4.1 U25.23
/HPM6E00 FULL PORT MAINENTRY/24-TSN-P1/G1_DA-: RJ4.2 U25.22
/HPM6E00 FULL PORT MAINENTRY/24-TSN-P1/G1_DB+: RJ4.3 U25.20
/HPM6E00 FULL PORT MAINENTRY/24-TSN-P1/G1_DB-: RJ4.6 U25.19
/HPM6E00 FULL PORT MAINENTRY/24-TSN-P1/G1_DC+: RJ4.4 U25.17
/HPM6E00 FULL PORT MAINENTRY/24-TSN-P1/G1_DC-: RJ4.5 U25.16
/HPM6E00 FULL PORT MAINENTRY/24-TSN-P1/G1_DD+: RJ4.7 U25.14
/HPM6E00 FULL PORT MAINENTRY/24-TSN-P1/G1_DD-: RJ4.8 U25.13
/HPM6E00 FULL PORT MAINENTRY/24-TSN-P1/LED0: LED33.1 U23.32
/HPM6E00 FULL PORT MAINENTRY/24-TSN-P1/LED1: LED32.2 R200.1 U23.33
/HPM6E00 FULL PORT MAINENTRY/24-TSN-P1/LED2: R198.1 R201.1 R207.2 U23.34
/HPM6E00 FULL PORT MAINENTRY/24-TSN-P1/MDI0N: U23.2 U25.3
/HPM6E00 FULL PORT MAINENTRY/24-TSN-P1/MDI0P: U23.1 U25.2
/HPM6E00 FULL PORT MAINENTRY/24-TSN-P1/MDI1N: U23.5 U25.6
/HPM6E00 FULL PORT MAINENTRY/24-TSN-P1/MDI1P: U23.4 U25.5
/HPM6E00 FULL PORT MAINENTRY/24-TSN-P1/MDI2N: U23.7 U25.9
/HPM6E00 FULL PORT MAINENTRY/24-TSN-P1/MDI2P: U23.6 U25.8
/HPM6E00 FULL PORT MAINENTRY/24-TSN-P1/MDI3N: U23.10 U25.12
/HPM6E00 FULL PORT MAINENTRY/24-TSN-P1/MDI3P: U23.9 U25.11
/HPM6E00 FULL PORT MAINENTRY/24-TSN-P1/REGOUT: L13.1 U23.30
/HPM6E00 FULL PORT MAINENTRY/25-TSN-P2/G1_DA+: RJ5.1 U28.23
/HPM6E00 FULL PORT MAINENTRY/25-TSN-P2/G1_DA-: RJ5.2 U28.22
/HPM6E00 FULL PORT MAINENTRY/25-TSN-P2/G1_DB+: RJ5.3 U28.20
/HPM6E00 FULL PORT MAINENTRY/25-TSN-P2/G1_DB-: RJ5.6 U28.19
/HPM6E00 FULL PORT MAINENTRY/25-TSN-P2/G1_DC+: RJ5.4 U28.17
/HPM6E00 FULL PORT MAINENTRY/25-TSN-P2/G1_DC-: RJ5.5 U28.16
/HPM6E00 FULL PORT MAINENTRY/25-TSN-P2/G1_DD+: RJ5.7 U28.14
/HPM6E00 FULL PORT MAINENTRY/25-TSN-P2/G1_DD-: RJ5.8 U28.13
/HPM6E00 FULL PORT MAINENTRY/25-TSN-P2/LED0: LED36.1 U26.32
/HPM6E00 FULL PORT MAINENTRY/25-TSN-P2/LED1: LED35.2 R221.1 U26.33
/HPM6E00 FULL PORT MAINENTRY/25-TSN-P2/LED2: R219.1 R222.1 R228.2 U26.34
/HPM6E00 FULL PORT MAINENTRY/25-TSN-P2/MDI0N: U26.2 U28.3
/HPM6E00 FULL PORT MAINENTRY/25-TSN-P2/MDI0P: U26.1 U28.2
/HPM6E00 FULL PORT MAINENTRY/25-TSN-P2/MDI1N: U26.5 U28.6
/HPM6E00 FULL PORT MAINENTRY/25-TSN-P2/MDI1P: U26.4 U28.5
/HPM6E00 FULL PORT MAINENTRY/25-TSN-P2/MDI2N: U26.7 U28.9
/HPM6E00 FULL PORT MAINENTRY/25-TSN-P2/MDI2P: U26.6 U28.8
/HPM6E00 FULL PORT MAINENTRY/25-TSN-P2/MDI3N: U26.10 U28.12
/HPM6E00 FULL PORT MAINENTRY/25-TSN-P2/MDI3P: U26.9 U28.11
/HPM6E00 FULL PORT MAINENTRY/25-TSN-P2/REGOUT: L14.1 U26.30
/HPM6E00 FULL PORT MAINENTRY/26-TSN-P3/G1_DA+: RJ6.1 U31.23
/HPM6E00 FULL PORT MAINENTRY/26-TSN-P3/G1_DA-: RJ6.2 U31.22
/HPM6E00 FULL PORT MAINENTRY/26-TSN-P3/G1_DB+: RJ6.3 U31.20
/HPM6E00 FULL PORT MAINENTRY/26-TSN-P3/G1_DB-: RJ6.6 U31.19
/HPM6E00 FULL PORT MAINENTRY/26-TSN-P3/G1_DC+: RJ6.4 U31.17
/HPM6E00 FULL PORT MAINENTRY/26-TSN-P3/G1_DC-: RJ6.5 U31.16